# Altium PCB PCB1 - BU.PcbDoc (part 1 of 2)
Units mil, origin at the board's own origin, x right, y up, seen from the top; angles counter-clockwise.
Board outline 4547.44 x 2454.85 mil, 2 copper layers (Top Layer, Bottom Layer); 145 components, 145 nets, 564 pads, 150 vias.
Unrouted connection lines stored in the file: 2.
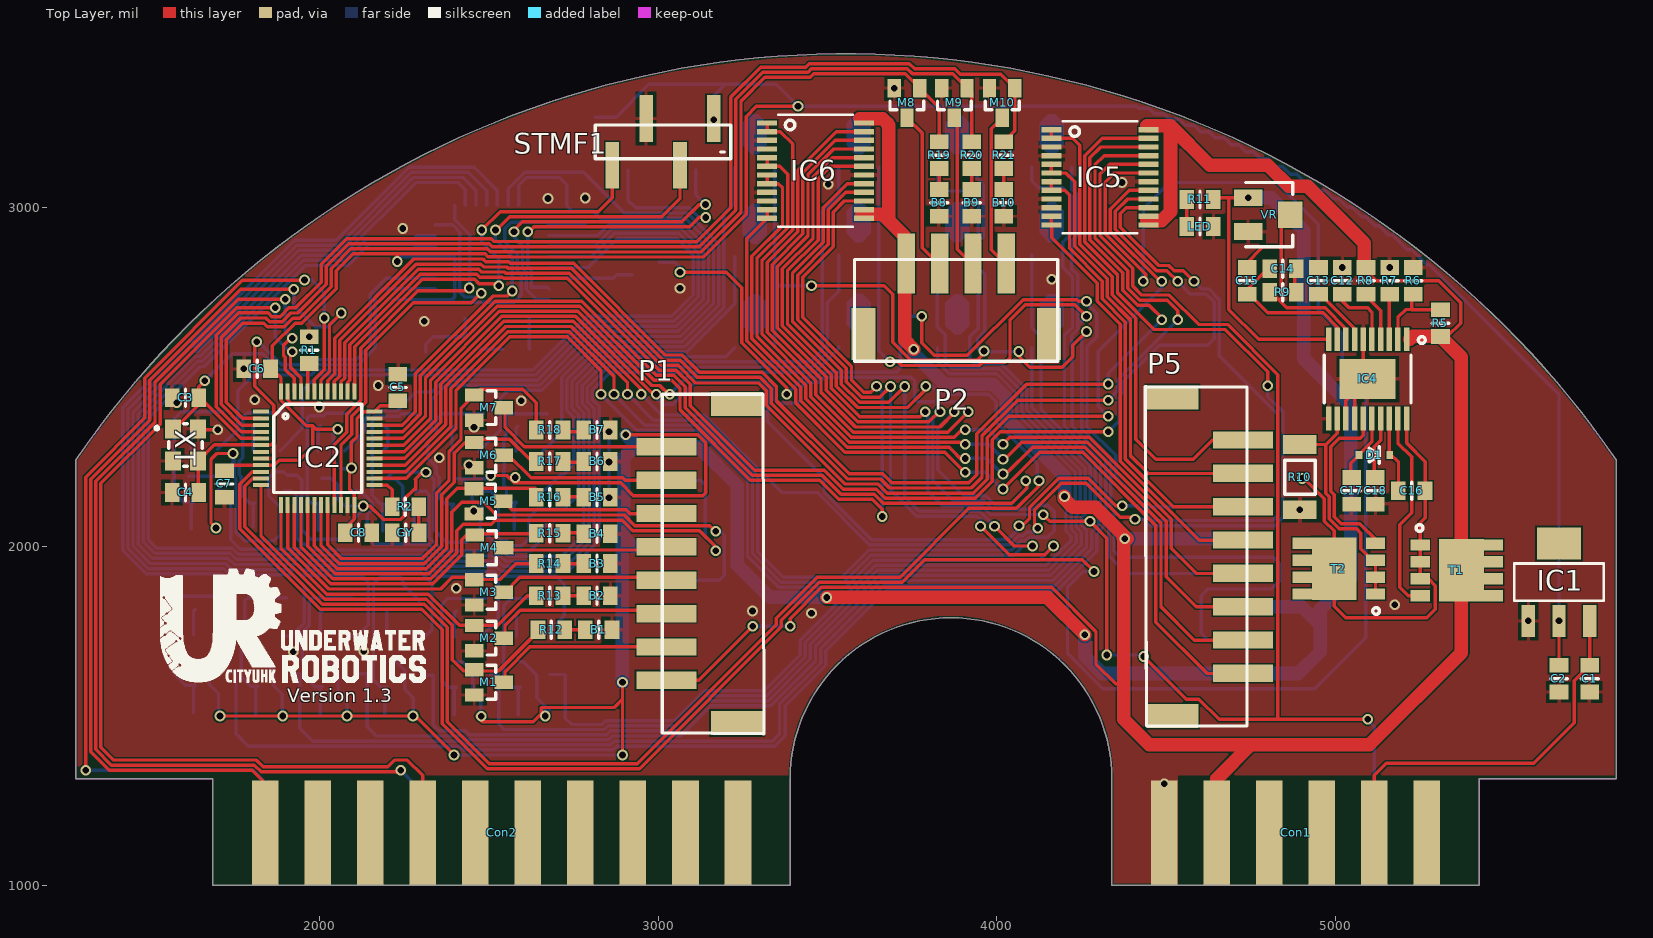
[diagram p0: Top Layer view]
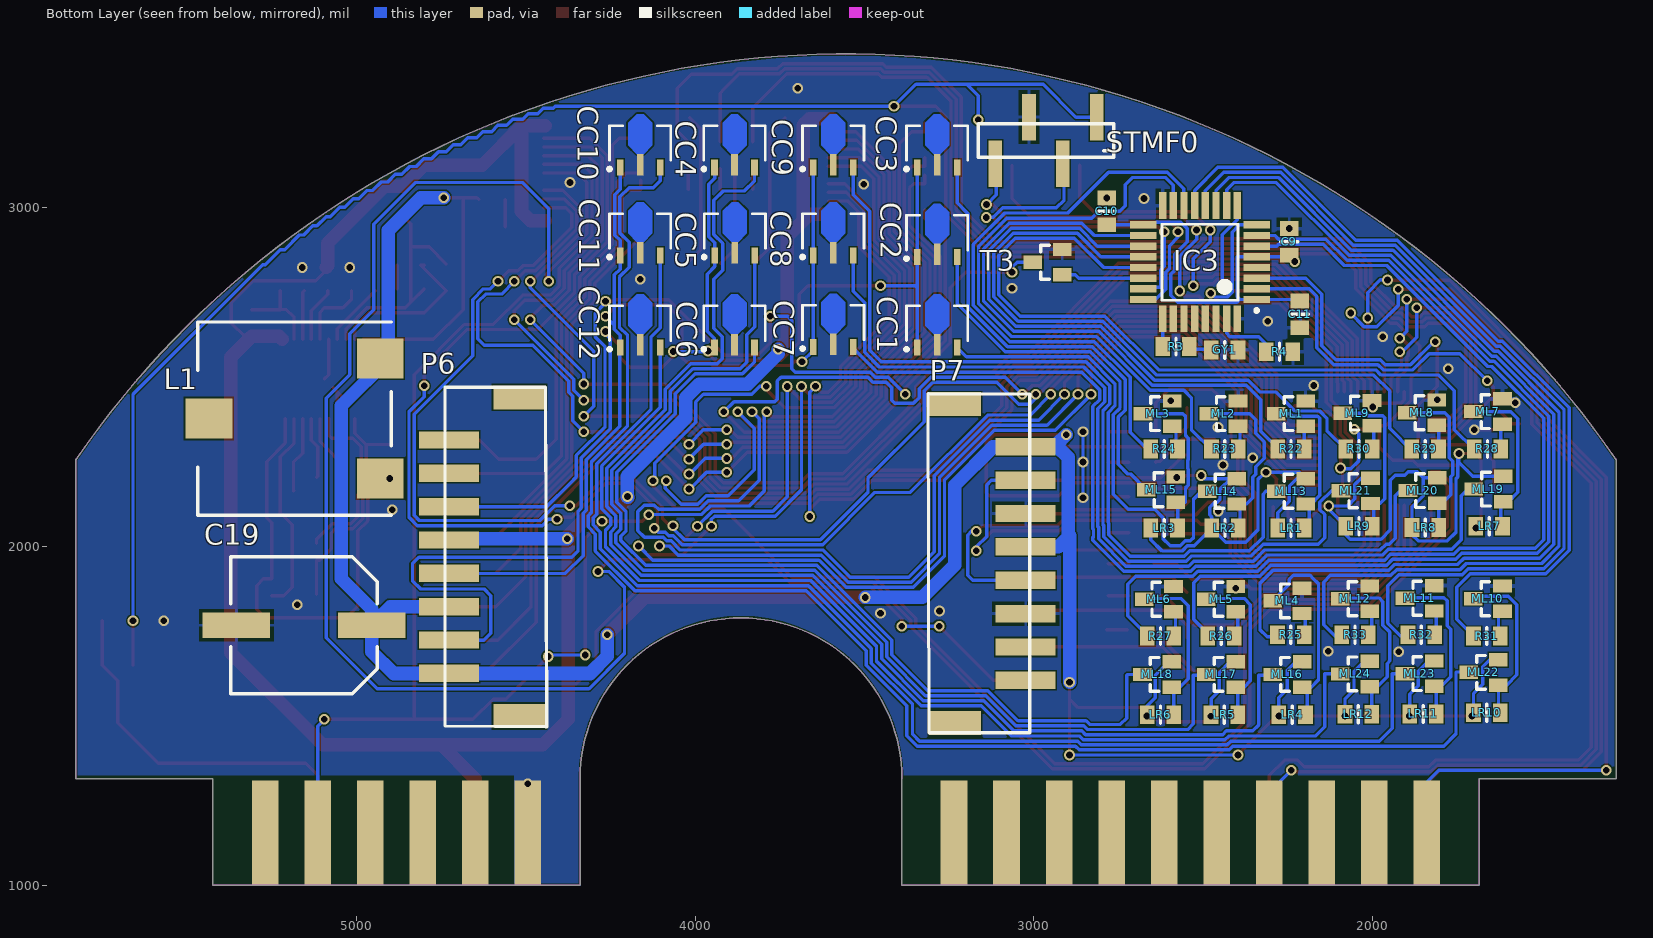
[diagram p1: Bottom Layer view, seen from below]
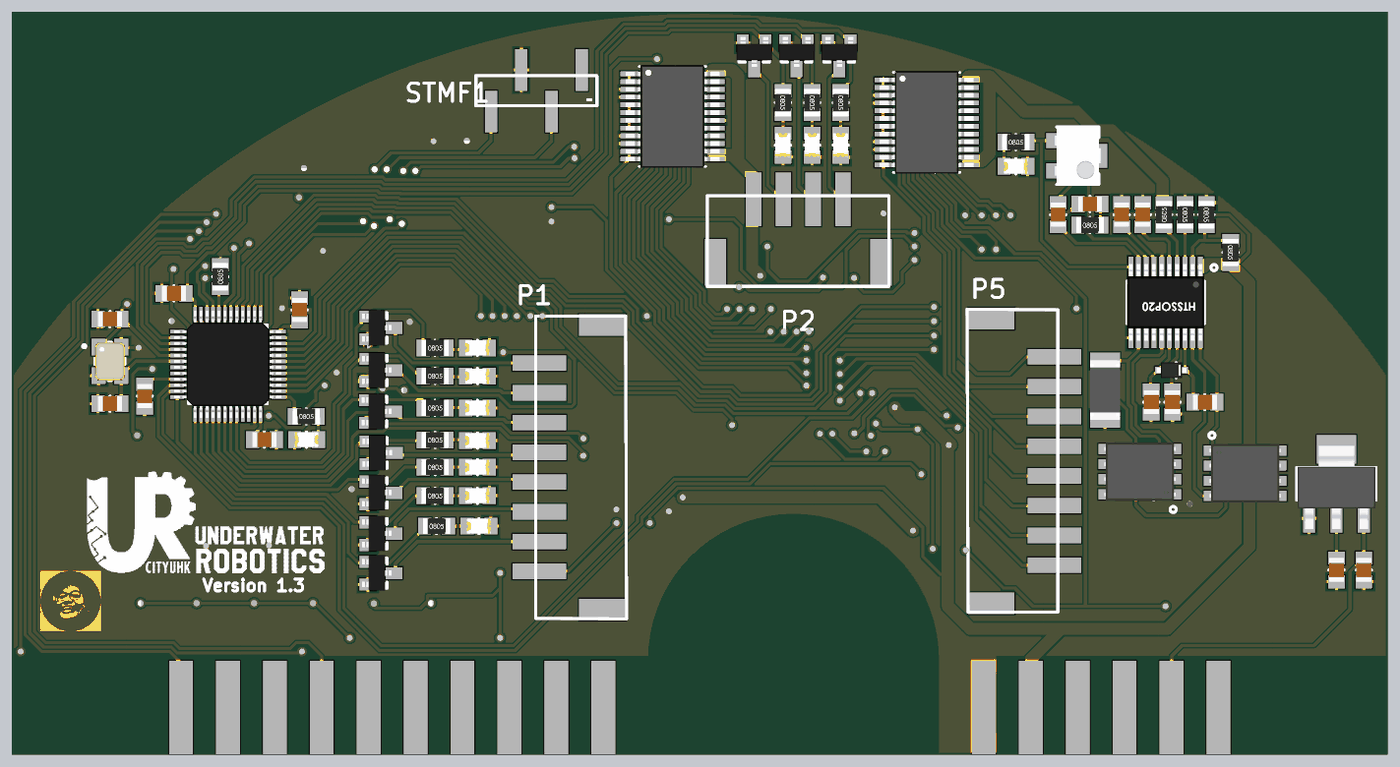
[diagram p3: 3D render of the assembled board from above, using the file's embedded part models]
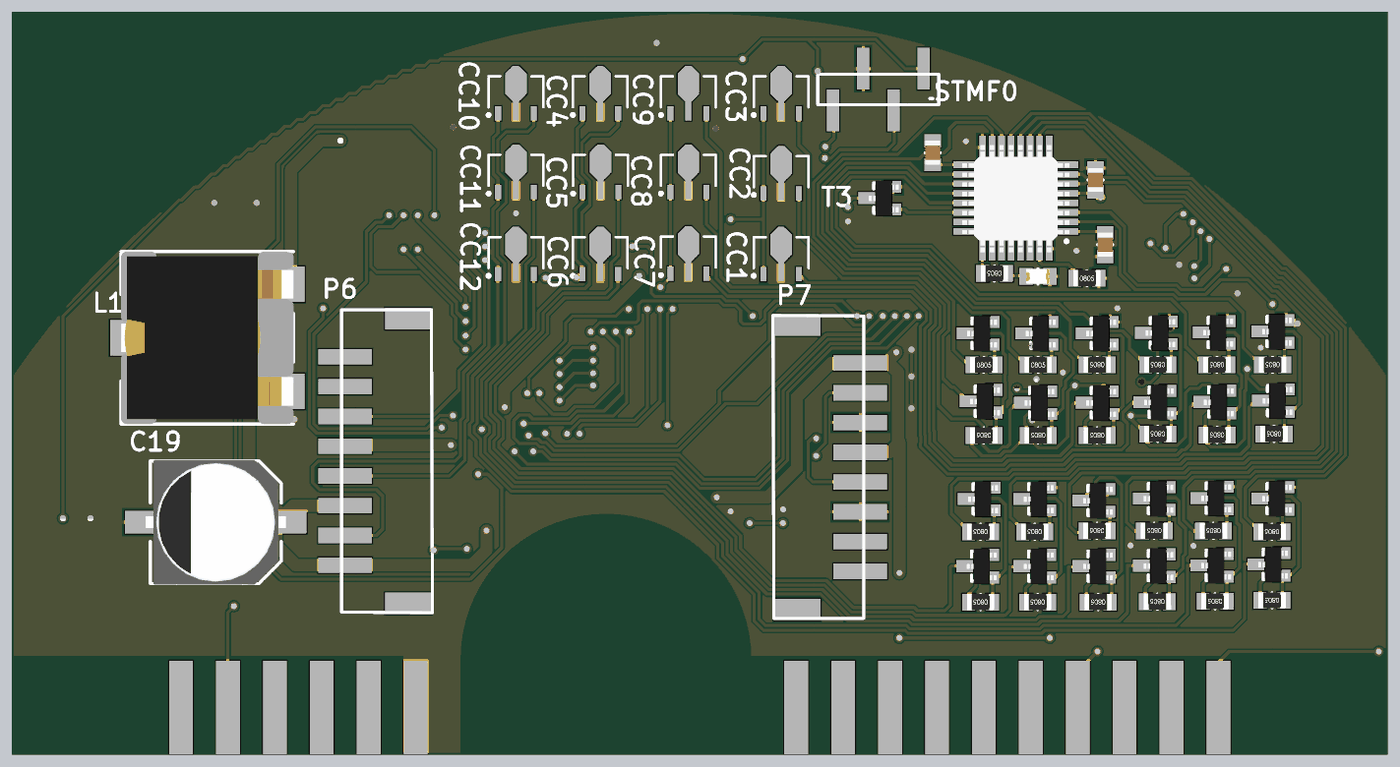
[diagram p4: 3D render of the assembled board from below, using the file's embedded part models]

## Layer stack, top to bottom
Top Solder: solder mask 0.4, Solder Resist, Dk 3.5
Top Layer: signal copper 1.4
Dielectric 1: dielectric 12.6, FR-4, Dk 4.8
Bottom Layer: signal copper 1.4
Bottom Solder: solder mask 0.4, Solder Resist, Dk 3.5

## Board outline
1281.3,1315 1281.3,2256.37 1281.27,2256.39 cw(c3555,699.09) 5828.71,2256.42 5828.7,2256.41 5828.7,1315 5425,1315 5425,1000 4340,1000 4340,1315 ccw(c3865,1315) 3865,1790 ccw(c3865,1315) 3390,1315 3390,1000 1685,1000 1685,1315

## Design rules (kind name [scope] priority, off if disabled: settings)
Clearance connector [InPadClass('connector') vs OnLayer('Keep-Out Layer')] p1: gap=0 ignorepadtopadclearanceinfootprint=FALSE
Clearance [All] p2: gap=5 ignorepadtopadclearanceinfootprint=FALSE
PolygonConnect via [IsVia] p1: connectstyle=Direct reliefconductorwidth=10 reliefentries=4 polygonreliefangle="90 Angle" airgapwidth=10
PolygonConnect GND [InPadClass('GND')] p2: connectstyle=Direct reliefconductorwidth=10 reliefentries=4 polygonreliefangle="90 Angle" airgapwidth=10
PolygonConnect [All] p3: connectstyle=Relief reliefconductorwidth=10 reliefentries=4 polygonreliefangle="90 Angle" airgapwidth=10
RoutingVias [All] p1: holewidth=19.68 width=31.5 viastyle="Through Hole" minholewidth=18 minwidth=30 maxholewidth=19.68 maxwidth=31.5
SolderMaskExpansion [All] p1: expansion=4
Width [All] p1: maxlimit=98.43 minlimit=10 preferedwidth=10
30 further rules are at their usual default settings.

## Classes and differential pairs
component class Sheet2: C12 C13 C14 C15 C16 C17 C18 C19 CC1 CC2 CC3 CC4 CC5 CC6 CC7 CC8 CC9 CC10 CC11 CC12 D1 IC4 IC5 IC6 L1 LED LR1 LR2 LR3 LR4 LR5 LR6 LR7 LR8 LR9 LR10 LR11 LR12 M1 M2 M3 M4 M5 M6 M7 M8 M9 M10 ML1 ML2 ML3 ML4 ML5 ML6 ML7 ML8 ML9 ML10 ML11 ML12 ML13 ML14 ML15 ML16 ML17 ML18 ML19 ML20 ML21 ML22 ML23 ML24 P1 P2 P5 P6 P7 R5 R6 R7 R8 R9 R10 R11 T1 T2 T3 VR
pad class connector: Con1-1 Con1-2 Con1-3 Con1-4 Con1-5 Con1-6 Con2-1 Con2-2 Con2-3 Con2-4 Con2-5 Con2-6 Con2-7 Con2-8 Con2-9 Con2-10 Con2-11 Con2-12 Con2-13 Con2-14 Con2-15 Con2-16 Con2-17 Con2-18 Con2-19 Con2-20
pad class GND: CC1-2 CC2-2 CC3-2 CC4-2 CC5-2 CC6-2 CC7-2 CC8-2 CC9-2 CC10-2 CC11-2 CC12-2 Con1-5 Con1-6
component class Sheet1: B1 B2 B3 B4 B5 B6 B7 B8 B9 B10 C1 C2 C3 C4 C5 C6 C7 C8 C9 C10 C11 C? Con1 Con2 GY GY1 IC1 IC2 IC3 R1 R2 R3 R4 R12 R13 R14 R15 R16 R17 R18 R19 R20 R21 R22 R23 R24 R25 R26 R27 R28 R29 R30 R31 R32 R33 R? STMF0 STMF1 XT

## Components (designator, comment, footprint, x,y, rotation, side; value= is the part's Value field where it differs from the comment)
B1 "LED" LED-0805 2825,1755 r0 top
B2 "LED" LED-0805 2820,1855.47 r0 top
B3 "LED" LED-0805 2820,1950 r0 top
B4 "LED" LED-0805 2820,2037.87 r0 top
B5 "LED" LED-0805 2820,2145.94 r0 top
B6 "LED" LED-0805 2820,2251.49 r0 top
B7 "LED" LED-0805 2820,2344.48 r0 top
B8 "LED" LED-0805 3830,3014.98 r270 top
B9 "LED" LED-0805 3926.66,3014.98 r270 top
B10 "LED" LED-0805 4020.95,3014.98 r270 top
C1 "0.1u" C0805 5750.55,1610 r90 top
C2 "0.1u" C0805 5660,1610 r90 top
C3 "22pF" C0805 1605,2440 r180 top
C4 "22pF" C0805 1605,2160 r180 top
C5 "0.1uF" C0805 2232.05,2469.97 r270 top
C6 "0.1uF" C0805 1816.7,2525 r180 top
C7 "0.1uF" C0805 1720,2185 r90 top
C8 "0.1uF" C0805 2115.7,2041.02 r180 top
C9 "0.1uF" C0805 2246.35,2900 r270 bottom
C10 "0.1uF" C0805 2785,2990 r270 bottom
C11 "0.1uF" C0805 2215,2685.94 r90 bottom
C12 "220pF" C0805 5020,2785 r270 top
C13 "10nF" C0805 4950,2785 r270 top
C14 "100pF" C0805 4845,2820.63 r180 top
C15 "3.3nF" C0805 4740,2785 r270 top
C16 "1uF" C0805 5225,2165 r180 top
C17 "1uF" C0805 5047.8,2165 r90 top
C18 "1uF" C0805 5117.8,2165 r90 top
C19 "*" "Cap SMD 10x12.7mm" 5155,1767.87 r0 bottom
CC1 "AMC7135" SOT89-150P410X160-3L 3285.88,2654.76 r90 bottom
CC2 "AMC7135" SOT89-150P410X160-3L 3285.88,2922.42 r90 bottom
CC3 "AMC7135" SOT89-150P410X160-3L 3285.88,3186.73 r90 bottom
CC4 "AMC7135" SOT89-150P410X160-3L 3884.05,3186.73 r90 bottom
CC5 "AMC7135" SOT89-150P410X160-3L 3883.11,2926.97 r90 bottom
CC6 "AMC7135" SOT89-150P410X160-3L 3884.05,2654.76 r90 bottom
CC7 "AMC7135" SOT89-150P410X160-3L 3592.64,2656.73 r90 bottom
CC8 "AMC7135" SOT89-150P410X160-3L 3592.64,2926.97 r90 bottom
CC9 "AMC7135" SOT89-150P410X160-3L 3592.64,3186.73 r90 bottom
CC10 "AMC7135" SOT89-150P410X160-3L 4162.64,3186.73 r90 bottom
CC11 "AMC7135" SOT89-150P410X160-3L 4162.64,2926.97 r90 bottom
CC12 "AMC7135" SOT89-150P410X160-3L 4162.64,2654.76 r90 bottom
Con1 "2x6pin" 2X6PIN 4882.2,1155 r180 top locked
Con2 "2x10pin" 2X10PIN 2538.03,1155 r0 top locked
D1 "5817" Diode-SOD-323 5114.72,2270.47 r0 top
GY "LED" LED-0805 2255,2041.02 r180 top
GY1 "LED" LED-0805 2436.9,2580.75 r180 bottom
IC1 "AMS1117" SOT-223 5660,1895 r90 top
IC2 "STM32F103C8T6" LQFP48 1995,2290 r270 top
IC3 "STM32F030K6T6" LQFP-32 2510,2840 r0 bottom
IC4 "LM25116" HTSSOP-20 5095,2495 r180 top
IC5 "TB6612" SSOP24 4305,3090.38 r0 top
IC6 "TB6612" SSOP24 3465,3110 r0 top
L1 "Inductor" Inductor-CDEP147 5182.95,2377.84 r180 bottom
LED "LED" LED-0805 4600,2945 r0 top
LR1 "10K" R0805 2241.03,2055 r0 bottom
LR2 "10K" R0805 2436.05,2055 r0 bottom
LR3 "10K" R0805 2615.59,2055 r0 bottom
LR4 "10K" R0805 2237.79,1503.5 r0 bottom
LR5 "10K" R0805 2437.8,1503.51 r0 bottom
LR6 "10K" R0805 2626.6,1503.5 r0 bottom
LR7 "10K" R0805 1656.31,2059.83 r0 bottom
LR8 "10K" R0805 1844.67,2056.37 r0 bottom
LR9 "10K" R0805 2040.54,2059.83 r0 bottom
LR10 "10K" R0805 1662.91,1509.53 r0 bottom
LR11 "10K" R0805 1851.27,1506.06 r0 bottom
LR12 "10K" R0805 2042.3,1505 r0 bottom
M1 "Si2302" SOT23 2500.79,1599.53 r270 top
M2 "Si2302" SOT23 2500.79,1730 r270 top
M3 "Si2302" SOT23 2500.79,1865 r270 top
M4 "Si2302" SOT23 2501.96,1996.9 r270 top
M5 "Si2302" SOT23 2500.04,2133.73 r270 top
M6 "Si2302" SOT23 2500.79,2270 r270 top
M7 "Si2302" SOT23 2500.79,2410.47 r270 top
M8 "Si2302" SOT23 3735,3310 r180 top
M9 "Si2302" SOT23 3875,3310 r180 top
M10 "Si2302" SOT23 4015.95,3310 r180 top
ML1 "2N2222" SOT23 2241.03,2392.8 r90 bottom
ML2 "2N2222" SOT23 2441.05,2392.8 r90 bottom
ML3 "2N2222" SOT23 2635,2392.8 r90 bottom
ML4 "2N2222" SOT23 2251.78,1839.83 r90 bottom
ML5 "2N2222" SOT23 2447.64,1845 r90 bottom
ML6 "2N2222" SOT23 2631.6,1845 r90 bottom
ML7 "2N2222" SOT23 1660,2398.82 r90 bottom
ML8 "2N2222" SOT23 1854.51,2395.35 r90 bottom
ML9 "2N2222" SOT23 2045.54,2394.29 r90 bottom
ML10 "2N2222" SOT23 1660,1846.5 r90 bottom
ML11 "2N2222" SOT23 1861.11,1847.56 r90 bottom
ML12 "2N2222" SOT23 2052.14,1846.5 r90 bottom
ML13 "AO3401" SOT23 2241.03,2163.17 r90 bottom
ML14 "AO3401" SOT23 2445,2163.17 r90 bottom
ML15 "AO3401" SOT23 2624.84,2168.17 r90 bottom
ML16 "AO3401" SOT23 2251.6,1622.65 r90 bottom
ML17 "AO3401" SOT23 2447.64,1622.65 r90 bottom
ML18 "AO3401" SOT23 2636.44,1622.65 r90 bottom
ML19 "AO3401" SOT23 1658.21,2170 r90 bottom
ML20 "AO3401" SOT23 1852.49,2165.73 r90 bottom
ML21 "AO3401" SOT23 2049.99,2165 r90 bottom
ML22 "AO3401" SOT23 1672.75,1628.67 r90 bottom
ML23 "AO3401" SOT23 1861.11,1625.21 r90 bottom
ML24 "AO3401" SOT23 2052.14,1624.15 r90 bottom
P1 "8Pin" XH2.54-8pin_SMD 3113,1950 r90 top
P2 "4Pin" XH2.54-4pin_SMD 3880,2747.8 r0 top
P5 "8Pin" XH2.54-8pin_SMD 4638.94,1970.47 r270 top
P6 "8Pin" XH2.54-8pin_SMD 4638.94,1970.47 r90 bottom
P7 "8Pin" XH2.54-8pin_SMD 3113,1950 r270 bottom
R1 "1K" R0805 1970,2580 r90 top
R2 "1K" R0805 2254.21,2117.8 r0 top
R3 "1K" R0805 2580.63,2590.75 r0 bottom
R4 "1K" R0805 2275,2575 r180 bottom
R5 "100K" R0805 5310,2660 r270 top
R6 "21K" R0805 5230,2785 r270 top
R7 "12.4K" R0805 5160,2785 r270 top
R8 "1M" R0805 5090,2785 r90 top
R9 "18K" R0805 4845,2750.63 r0 top
R10 "10mR" R2010 4895,2205 r90 top
R11 "5K" R0805 4600,3025 r0 top
R12 "1K" R0805 2685,1755 r0 top
R13 "1K" R0805 2680,1855.47 r0 top
R14 "1K" R0805 2680,1950 r0 top
R15 "1K" R0805 2680,2039.84 r0 top
R16 "1K" R0805 2680,2145.94 r0 top
R17 "1K" R0805 2680,2251.49 r0 top
R18 "1K" R0805 2680,2344.48 r0 top
R19 "1K" R0805 3830,3155.74 r270 top
R20 "1K" R0805 3926.66,3155.74 r270 top
R21 "1K" R0805 4020.95,3155.74 r270 top
R22 "1K" R0805 2241.03,2288.52 r0 bottom
R23 "1K" R0805 2436.34,2288.52 r180 bottom
R24 "1K" R0805 2615.59,2288.52 r180 bottom
R25 "1K" R0805 2241.6,1739.53 r0 bottom
R26 "1K" R0805 2447.64,1736.06 r0 bottom
R27 "1K" R0805 2626.6,1736.06 r0 bottom
R28 "1K" R0805 1661.16,2288.52 r0 bottom
R29 "1K" R0805 1845,2288.52 r0 bottom
R30 "1K" R0805 2040.54,2288.52 r0 bottom
R31 "1K" R0805 1662.91,1736.06 r0 bottom
R32 "1K" R0805 1856.6,1739.53 r0 bottom
R33 "1K" R0805 2052.14,1739.53 r0 bottom
STMF0 "Debug" DEBUG_SMD 2964.59,3199.09 r0 bottom (schematic designator Debug2)
STMF1 "Debug" DEBUG_SMD 3015,3195 r180 top (schematic designator Debug)
T1 "TPH2R608NH" TPH2R608NH 5358.27,1930 r270 top
T2 "TPH2R608NH" TPH2R608NH 5010,1935 r90 top
T3 "Si2302" SOT23 2960,2840 r90 bottom
VR "2k" 3224W-1-202E 4804.65,2980 r180 top
XT "8MHz" 3225-P 1605,2300 r270 top

## Footprints (in the part's own frame and the unit in brackets; to place one, negate y for a bottom-side part, rotate by r counter-clockwise, add the part's x,y. Pads: shape width x height; smd on the part's side, far side on the other; paste and mask are expansions set on the pad)
2X6PIN [mm]
  rect 2x7.874 smd: 1(-9.85,0) 2(-5.91,0) 3(-1.97,0) 4(1.97,0) 5(5.91,0) 6(9.85,0)
  rect 2x7.874 smd far side: 1(-9.85,0) 2(-5.91,0) 3(-1.97,0) 4(1.97,0) 5(5.91,0) 6(9.85,0)
2X10PIN [mm]
  rect 2x7.874 smd far side: 1(17.73,0) 3(13.79,0) 5(9.85,0) 7(5.91,0) 9(1.97,0) 11(-1.97,0) 13(-5.91,0) 15(-9.85,0) 17(-13.79,0) 19(-17.73,0)
  rect 2x7.874 smd: 2(17.73,0) 4(13.79,0) 6(9.85,0) 8(5.91,0) 10(1.97,0) 12(-1.97,0) 14(-5.91,0) 16(-9.85,0) 18(-13.79,0) 20(-17.73,0)
3224W-1-202E [mil] "Potentiometer"
  rect 85x50 smd: 1(62,-50) 3(62,50)
  rect 71x79 smd: 2(-62,0)
  silkscreen extent -70,-95 70,95, body extent -78,-95 78,95, height 206
3225-P [mm]
  rect 1.4x1.2 smd: 1(-1.2,-0.95) 2(-1.2,0.95) 2(1.2,-0.95) 3(1.2,0.95)
  silkscreen extent -1.6,-2.29 1.6,1.25, body extent -1.6,-1.25 1.6,1.25, height 0.61
C0805 [mm]
  rect 1.1x1.4 smd: 1(-1,0) 2(1,0)
  silkscreen extent 0,-0.64 0,0.64, body extent -1,-0.62 1,0.63, height 0.6
"Cap SMD 10x12.7mm" [mm]
  rect 5.08x1.9 smd: 1(-5.08,0) 2(5.08,0)
  silkscreen extent -5.5,-5.15 5.5,5.15, body extent -5.9,-5.25 5.9,5.25, height 10.43
DEBUG_SMD [mm]
  rect 1.02x3.5 smd: 1(-3.81,-1.75) 2(-1.27,1.75) 3(1.27,-1.75) 4(3.81,1.75)
  silkscreen extent -5.08,-1.27 5.08,1.27
Diode-SOD-323 [mm]
  rect 0.5x0.6 smd: 1(-1.15,0) 2(1.15,0)
  silkscreen extent -0.38,-0.64 0.38,0.64, body extent -1.25,-0.68 1.25,0.68, height 1
HTSSOP-20 [mm]
  rect 0.42x1.78 smd: 1(-2.925,-2.97) 2(-2.275,-2.97) 3(-1.625,-2.97) 4(-0.975,-2.97) 5(-0.325,-2.97) 6(0.325,-2.97) 7(0.975,-2.97) 8(1.625,-2.97) 9(2.275,-2.97) 10(2.925,-2.97) 11(2.925,2.97) 12(2.275,2.97) 13(1.625,2.97) 14(0.975,2.97) 15(0.325,2.97) 16(-0.325,2.97) 17(-0.975,2.97) 18(-1.625,2.97) 19(-2.275,2.97) 20(-2.925,2.97)
  rect 4.2x3 smd: 21(0,0)
  silkscreen extent -4.32,-3.17 3.25,1.78, body extent -3.25,-3.21 3.25,3.21, height 0.95
Inductor-CDEP147 [mm]
  rect 3.5x3 smd: 1(6.425,-4.5) 2(6.425,4.5) 3(-6.425,0)
  silkscreen extent -7.25,-7.25 7.25,7.25, body extent -7.25,-7.25 7.25,7.25, height 8
LED-0805 [mm]
  rect 1.1x1.4 smd: 1(-1,0) 2(1,0)
  silkscreen extent 0,-0.64 0,0.64, body extent -1,-0.62 1,0.63, height 0.81
LQFP48 [mm]
  rect 0.3x1.2 smd: 1(-2.75,-4.25) 2(-2.25,-4.25) 3(-1.75,-4.25) 4(-1.25,-4.25) 5(-0.75,-4.25) 6(-0.25,-4.25) 7(0.25,-4.25) 8(0.75,-4.25) 9(1.25,-4.25) 10(1.75,-4.25) 11(2.25,-4.25) 12(2.75,-4.25) 25(2.75,4.25) 26(2.25,4.25) 27(1.75,4.25) 28(1.25,4.25) 29(0.75,4.25) 30(0.25,4.25) 31(-0.25,4.25) 32(-0.75,4.25) 33(-1.25,4.25) 34(-1.75,4.25) 35(-2.25,4.25) 36(-2.75,4.25)
  rect 1.2x0.3 smd: 13(4.25,-2.75) 14(4.25,-2.25) 15(4.25,-1.75) 16(4.25,-1.25) 17(4.25,-0.75) 18(4.25,-0.25) 19(4.25,0.25) 20(4.25,0.75) 21(4.25,1.25) 22(4.25,1.75) 23(4.25,2.25) 24(4.25,2.75) 37(-4.25,2.75) 38(-4.25,2.25) 39(-4.25,1.75) 40(-4.25,1.25) 41(-4.25,0.75) 42(-4.25,0.25) 43(-4.25,-0.25) 44(-4.25,-0.75) 45(-4.25,-1.25) 46(-4.25,-1.75) 47(-4.25,-2.25) 48(-4.25,-2.75)
  silkscreen extent -3.3,-3.3 3.3,3.3, body extent -4.5,-4.5 4.5,4.5, height 1.47
LQFP-32 [mm] "TQFP, 32-Leads, Body 9,0x9,0mm (max), Pitch 0,80mm, IPC Low Density"
  rect 2x0.55 smd: 1(-4.25,2.8) 2(-4.25,2) 3(-4.25,1.2) 4(-4.25,0.4) 5(-4.25,-0.4) 6(-4.25,-1.2) 7(-4.25,-2) 8(-4.25,-2.8) 17(4.25,-2.8) 18(4.25,-2) 19(4.25,-1.2) 20(4.25,-0.4) 21(4.25,0.4) 22(4.25,1.2) 23(4.25,2) 24(4.25,2.8)
  rect 0.55x2 smd: 9(-2.8,-4.25) 10(-2,-4.25) 11(-1.2,-4.25) 12(-0.4,-4.25) 13(0.4,-4.25) 14(1.2,-4.25) 15(2,-4.25) 16(2.8,-4.25) 25(2.8,4.25) 26(2,4.25) 27(1.2,4.25) 28(0.4,4.25) 29(-0.4,4.25) 30(-1.2,4.25) 31(-2,4.25) 32(-2.8,4.25)
  silkscreen extent -4.37,-2.85 2.85,3.75, body extent -4.5,-4.44 4.5,4.55, height 1.63
R0805 [mm]
  rect 1.1x1.4 smd: 1(-1,0) 2(1,0)
  silkscreen extent 0,-0.64 0,0.64, body extent -1.15,-0.67 1.15,0.68, height 0.76
R2010 [mm]
  rect 1.4x2.5 smd: 1(-2.45,0) 2(2.45,0)
  silkscreen extent -1.27,-1.14 1.27,1.14, body extent -2.5,-1.25 2.5,1.25, height 0.47
SOT23 [mm]
  rect 1x1.4 smd: 1(-0.95,-1.1) 2(0.95,-1.1) 3(0,1.1)
  silkscreen extent -1.27,-0.13 1.27,0.51, body extent -1.52,-1.59 1.48,0.91, height 1.06